# KiCad board mse-68-vhdci-panel.kicad_pcb (continued)
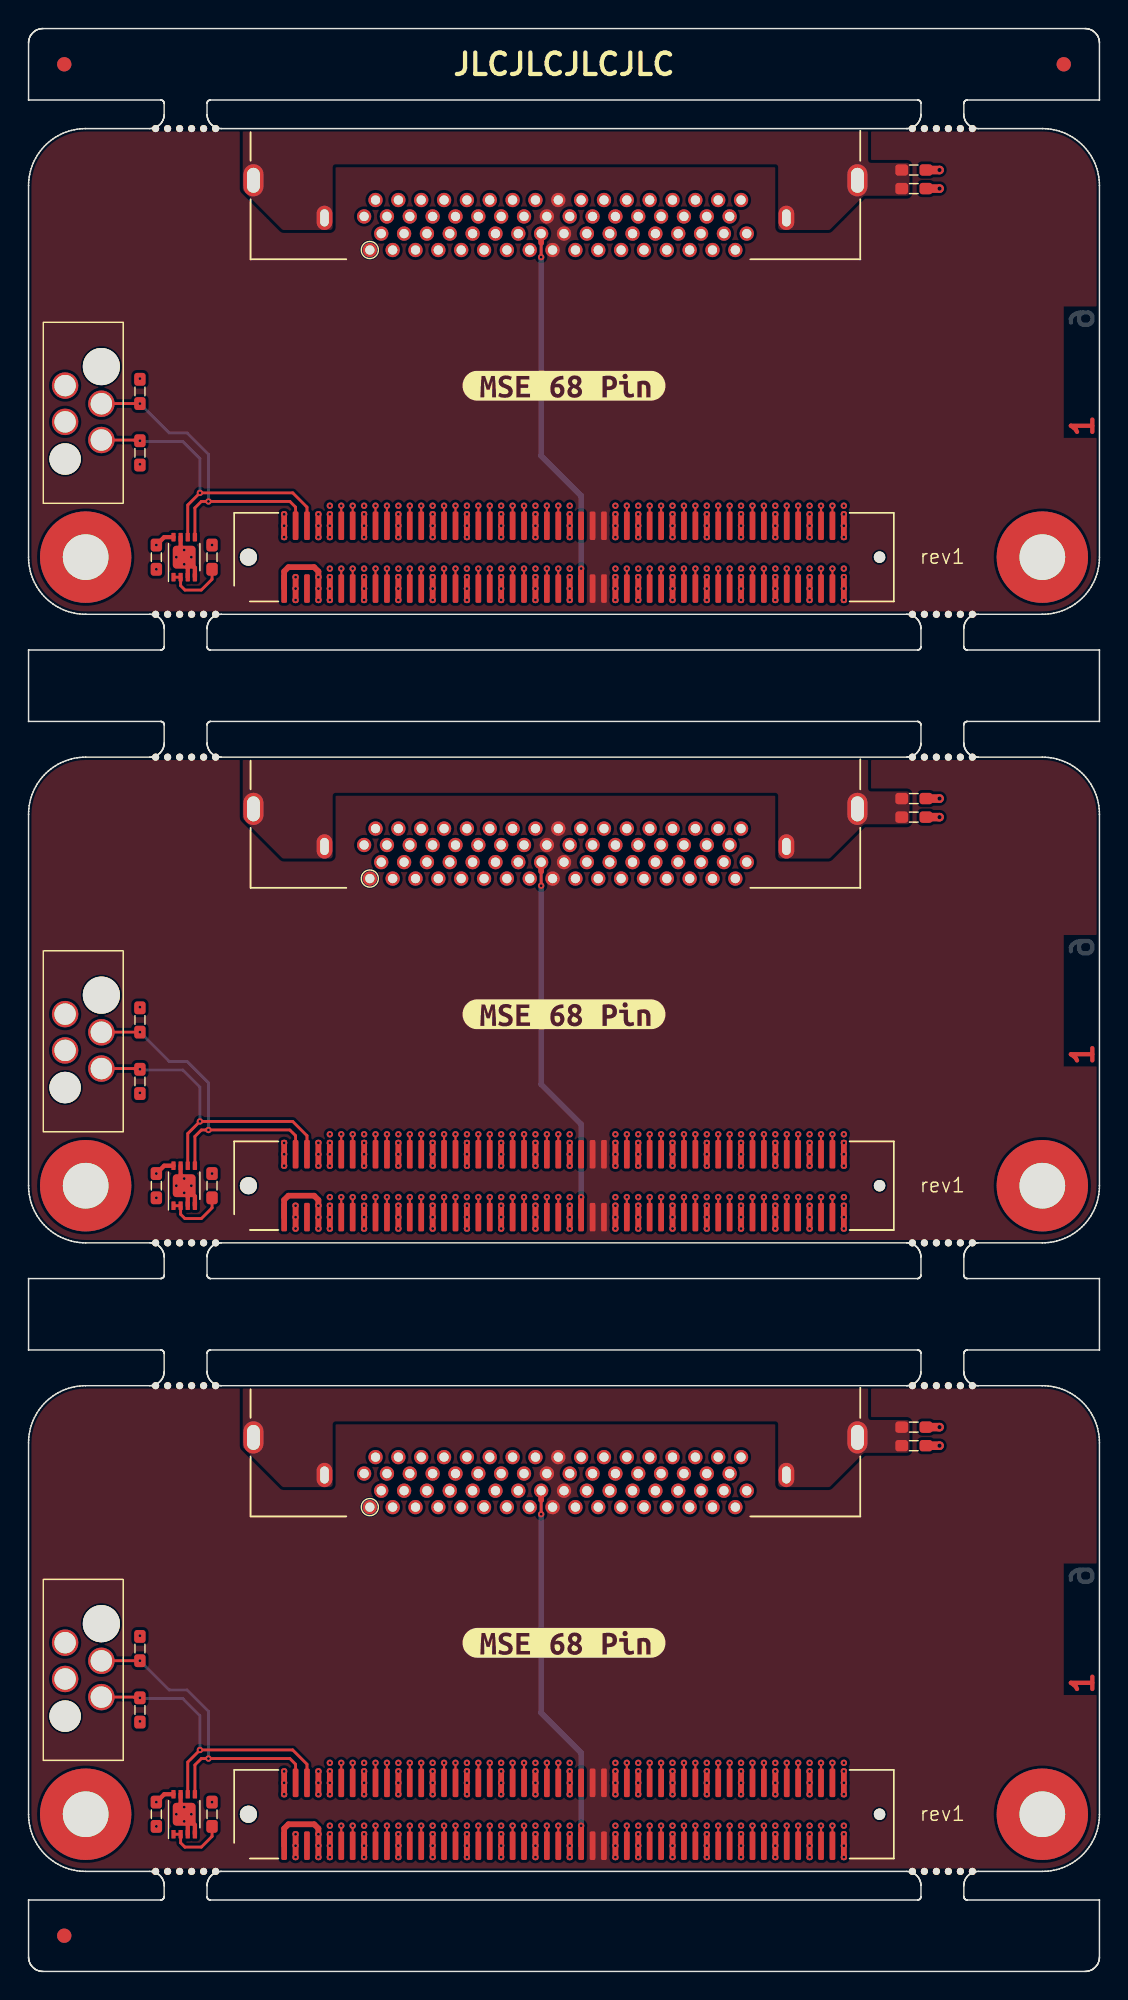
[diagram p0: board, top side]
## Routing (per net, layer and track width the routed paths; a pad name or vN(x,y) marks a point on that pad's centre or on a via; arc(x,y) is an arc through that point) (continued)
Board_1-/CON.DB9-: length 27
  Top w0.151: J1#3.92 v1(53.9,58.6)
  In2.Cu w0.151: J4#3.66 48.3,78.2 48.1,78 48.1,77.5 48.9,76.7 48.9,69.53 arc(48.95,69.42) 49.07,69.37 arc(49.18,69.32) 49.23,69.2 49.23,68.93 arc(49.18,68.82) 49.07,68.77 arc(48.95,68.72) 48.9,68.6 48.9,68.38 arc(48.96,68.25) 49.09,68.19 arc(49.22,68.14) 49.28,68 49.28,67.78 arc(49.22,67.65) 49.09,67.59 arc(48.96,67.54) 48.9,67.4 48.9,67.18 arc(48.96,67.05) 49.09,66.99 arc(49.22,66.94) 49.28,66.8 49.28,66.58 arc(49.22,66.45) 49.09,66.39 arc(48.96,66.34) 48.9,66.2 48.9,65.98 arc(48.96,65.85) 49.09,65.79 arc(49.22,65.74) 49.28,65.6 49.28,65.38 arc(49.22,65.25) 49.09,65.19 arc(48.96,65.14) 48.9,65 48.9,63.6 v1(53.9,58.6)
Board_1-/CON.DB10+: length 29.6
  Top w0.151: J1#3.95 v1(55.5,54.2)
  In3.Cu w0.151: J4#3.33 50.1,75.9 50.1,72.08 arc(50.03,71.91) 49.86,71.84 49.85,71.84 arc(49.68,71.77) 49.61,71.6 49.61,71.48 arc(49.68,71.31) 49.85,71.24 49.86,71.24 arc(50.03,71.17) 50.1,71 50.1,70.88 arc(50.03,70.71) 49.86,70.64 49.85,70.64 arc(49.68,70.57) 49.61,70.4 49.61,70.28 arc(49.68,70.11) 49.85,70.04 49.86,70.04 arc(50.03,69.97) 50.1,69.8 50.1,69.68 arc(50.03,69.51) 49.86,69.44 49.85,69.44 arc(49.68,69.37) 49.61,69.2 49.61,69.08 arc(49.68,68.91) 49.85,68.84 49.86,68.84 arc(50.03,68.77) 50.1,68.6 50.1,68.48 arc(50.03,68.31) 49.86,68.24 49.85,68.24 arc(49.68,68.17) 49.61,68 49.61,67.88 arc(49.68,67.71) 49.85,67.64 49.86,67.64 arc(50.03,67.57) 50.1,67.4 50.1,67.28 arc(50.03,67.11) 49.86,67.04 49.85,67.04 arc(49.68,66.97) 49.61,66.8 49.61,66.68 arc(49.68,66.51) 49.85,66.44 49.86,66.44 arc(50.03,66.37) 50.1,66.2 50.1,66.08 arc(50.03,65.91) 49.86,65.84 49.85,65.84 arc(49.68,65.77) 49.61,65.6 49.61,65.48 arc(49.68,65.31) 49.85,65.24 49.86,65.24 arc(50.03,65.17) 50.1,65 50.1,64 55.2,58.9 55.2,54.5 v1(55.5,54.2)
Board_1-/CON.DB10-: length 27
  Top w0.151: J1#3.96 v1(55.5,58.6)
  In2.Cu w0.151: J4#3.67 49.1,78.2 49.3,78 49.3,77.48 50.1,76.68 50.1,70.87 arc(50.03,70.7) 49.87,70.64 arc(49.7,70.57) 49.63,70.4 49.63,70.27 arc(49.7,70.1) 49.87,70.04 arc(50.03,69.97) 50.1,69.8 50.1,69.67 arc(50.03,69.5) 49.87,69.44 arc(49.7,69.37) 49.63,69.2 49.63,69.07 arc(49.7,68.9) 49.87,68.84 arc(50.03,68.77) 50.1,68.6 50.1,68.47 arc(50.03,68.3) 49.87,68.24 arc(49.7,68.17) 49.63,68 49.63,67.87 arc(49.7,67.7) 49.87,67.64 arc(50.03,67.57) 50.1,67.4 50.1,67.27 arc(50.03,67.1) 49.87,67.04 arc(49.7,66.97) 49.63,66.8 49.63,66.67 arc(49.7,66.5) 49.87,66.44 arc(50.03,66.37) 50.1,66.2 50.1,66.07 arc(50.03,65.9) 49.87,65.84 arc(49.7,65.77) 49.63,65.6 49.63,65.47 arc(49.7,65.3) 49.87,65.24 arc(50.03,65.17) 50.1,65 50.1,64 v1(55.5,58.6)
Board_1-/CON.DB11+: length 29.6
  Top w0.151: J1#3.97 v1(56.3,54.2)
  In3.Cu w0.151: J4#3.34 50.3,76.3 50.5,76.1 50.5,69.68 arc(50.57,69.51) 50.74,69.44 50.75,69.44 arc(50.92,69.37) 50.99,69.2 50.99,69.08 arc(50.92,68.91) 50.75,68.84 50.74,68.84 arc(50.57,68.77) 50.5,68.6 50.5,68.48 arc(50.57,68.31) 50.74,68.24 50.75,68.24 arc(50.92,68.17) 50.99,68 50.99,67.88 arc(50.92,67.71) 50.75,67.64 50.74,67.64 arc(50.57,67.57) 50.5,67.4 50.5,67.28 arc(50.57,67.11) 50.74,67.04 50.75,67.04 arc(50.92,66.97) 50.99,66.8 50.99,66.68 arc(50.92,66.51) 50.75,66.44 50.74,66.44 arc(50.57,66.37) 50.5,66.2 50.5,66.08 arc(50.57,65.91) 50.74,65.84 50.75,65.84 arc(50.92,65.77) 50.99,65.6 50.99,65.48 arc(50.92,65.31) 50.75,65.24 50.74,65.24 arc(50.57,65.17) 50.5,65 50.5,64.4 55.9,59 55.9,54.6 v1(56.3,54.2)
Board_1-/CON.DB11-: length 27
  Top w0.151: J1#3.98 v1(56.3,58.6)
  In2.Cu w0.151: J4#3.68 49.9,78.2 49.7,78 49.7,77.5 50.5,76.7 50.5,68.4 arc(50.56,68.26) 50.7,68.2 arc(50.84,68.14) 50.89,68 50.89,67.8 arc(50.84,67.66) 50.7,67.6 arc(50.56,67.54) 50.5,67.4 50.5,67.2 arc(50.56,67.06) 50.7,67 arc(50.84,66.94) 50.89,66.8 50.89,66.6 arc(50.84,66.46) 50.7,66.4 arc(50.56,66.34) 50.5,66.2 50.5,66 arc(50.56,65.86) 50.7,65.8 arc(50.84,65.74) 50.89,65.6 50.89,65.4 arc(50.84,65.26) 50.7,65.2 arc(50.56,65.14) 50.5,65 50.5,64.4 v1(56.3,58.6)
Board_1-/CON.DB12+: length 29.6
  Top w0.151: J1#3.11 v1(21.9,54.2)
  In3.Cu w0.151: v1(21.9,54.2) 22.3,54.6 22.3,59 24.5,61.2 24.5,62 arc(24.43,62.17) 24.26,62.24 24.25,62.24 arc(24.08,62.31) 24.01,62.48 24.01,62.6 arc(24.08,62.77) 24.25,62.84 24.26,62.84 arc(24.43,62.91) 24.5,63.08 24.5,63.2 arc(24.43,63.37) 24.26,63.44 24.25,63.44 arc(24.08,63.51) 24.01,63.68 24.01,63.8 arc(24.08,63.97) 24.25,64.04 24.26,64.04 arc(24.43,64.11) 24.5,64.28 24.5,64.4 arc(24.43,64.57) 24.26,64.64 24.25,64.64 arc(24.08,64.71) 24.01,64.88 24.01,65 arc(24.08,65.17) 24.25,65.24 24.26,65.24 arc(24.43,65.31) 24.5,65.48 24.5,65.6 arc(24.43,65.77) 24.26,65.84 24.25,65.84 arc(24.08,65.91) 24.01,66.08 24.01,66.2 arc(24.08,66.37) 24.25,66.44 24.26,66.44 arc(24.43,66.51) 24.5,66.68 24.5,66.8 arc(24.43,66.97) 24.26,67.04 24.25,67.04 arc(24.08,67.11) 24.01,67.28 24.01,67.4 arc(24.08,67.57) 24.25,67.64 24.26,67.64 arc(24.43,67.71) 24.5,67.88 24.5,68 arc(24.43,68.17) 24.26,68.24 24.25,68.24 arc(24.08,68.31) 24.01,68.48 24.01,68.6 arc(24.08,68.77) 24.25,68.84 24.26,68.84 arc(24.43,68.91) 24.5,69.08 24.5,69.2 arc(24.43,69.37) 24.26,69.44 24.25,69.44 arc(24.08,69.51) 24.01,69.68 24.01,69.8 arc(24.08,69.97) 24.25,70.04 24.26,70.04 arc(24.43,70.11) 24.5,70.28 24.5,70.4 arc(24.43,70.57) 24.26,70.64 24.25,70.64 arc(24.08,70.71) 24.01,70.88 24.01,71 arc(24.08,71.17) 24.25,71.24 24.26,71.24 arc(24.43,71.31) 24.5,71.48 24.5,75.9 J4#3.1
Board_1-/CON.DB12-: length 27
  Top w0.151: J1#3.12 v1(21.9,58.6)
  In2.Cu w0.151: v1(21.9,58.6) 24.5,61.2 24.5,62 arc(24.43,62.17) 24.26,62.24 arc(24.09,62.31) 24.02,62.48 24.02,62.6 arc(24.09,62.77) 24.26,62.84 arc(24.43,62.91) 24.5,63.08 24.5,63.2 arc(24.43,63.37) 24.26,63.44 arc(24.09,63.51) 24.02,63.68 24.02,63.8 arc(24.09,63.97) 24.26,64.04 arc(24.43,64.11) 24.5,64.28 24.5,64.4 arc(24.43,64.57) 24.26,64.64 arc(24.09,64.71) 24.02,64.88 24.02,65 arc(24.09,65.17) 24.26,65.24 arc(24.43,65.31) 24.5,65.48 24.5,65.6 arc(24.43,65.77) 24.26,65.84 arc(24.09,65.91) 24.02,66.08 24.02,66.2 arc(24.09,66.37) 24.26,66.44 arc(24.43,66.51) 24.5,66.68 24.5,66.8 arc(24.43,66.97) 24.26,67.04 arc(24.09,67.11) 24.02,67.28 24.02,67.4 arc(24.09,67.57) 24.26,67.64 arc(24.43,67.71) 24.5,67.88 24.5,68 arc(24.43,68.17) 24.26,68.24 arc(24.09,68.31) 24.02,68.48 24.02,68.6 arc(24.09,68.77) 24.26,68.84 arc(24.43,68.91) 24.5,69.08 24.5,69.2 arc(24.43,69.37) 24.26,69.44 arc(24.09,69.51) 24.02,69.68 24.02,69.8 arc(24.09,69.97) 24.26,70.04 arc(24.43,70.11) 24.5,70.28 24.5,76.65 23.7,77.45 23.7,78 23.5,78.2 J4#3.35
Board_1-/CON.DB13+: length 29.6
  Top w0.151: J1#3.13 v1(22.7,54.2)
  In3.Cu w0.151: v1(22.7,54.2) 23.01,54.51 23.01,58.91 24.9,60.8 24.9,62 arc(24.97,62.17) 25.13,62.24 arc(25.3,62.31) 25.37,62.47 25.37,62.6 arc(25.3,62.77) 25.13,62.84 arc(24.97,62.91) 24.9,63.07 24.9,63.2 arc(24.97,63.37) 25.13,63.44 arc(25.3,63.51) 25.37,63.67 25.37,63.8 arc(25.3,63.97) 25.13,64.04 arc(24.97,64.11) 24.9,64.27 24.9,64.4 arc(24.97,64.57) 25.13,64.64 arc(25.3,64.71) 25.37,64.87 25.37,65 arc(25.3,65.17) 25.13,65.24 arc(24.97,65.31) 24.9,65.47 24.9,65.6 arc(24.97,65.77) 25.13,65.84 arc(25.3,65.91) 25.37,66.07 25.37,66.2 arc(25.3,66.37) 25.13,66.44 arc(24.97,66.51) 24.9,66.67 24.9,66.8 arc(24.97,66.97) 25.13,67.04 arc(25.3,67.11) 25.37,67.27 25.37,67.4 arc(25.3,67.57) 25.13,67.64 arc(24.97,67.71) 24.9,67.87 24.9,68 arc(24.97,68.17) 25.13,68.24 arc(25.3,68.31) 25.37,68.47 25.37,68.6 arc(25.3,68.77) 25.13,68.84 arc(24.97,68.91) 24.9,69.07 24.9,69.2 arc(24.97,69.37) 25.13,69.44 arc(25.3,69.51) 25.37,69.67 25.37,69.8 arc(25.3,69.97) 25.13,70.04 arc(24.97,70.11) 24.9,70.27 24.9,76.1 24.7,76.3 J4#3.2
Board_1-/CON.DB13-: length 27
  Top w0.151: J1#3.14 v1(22.7,58.6)
  In2.Cu w0.151: v1(22.7,58.6) 24.9,60.8 24.9,62 arc(24.97,62.17) 25.14,62.24 25.15,62.24 arc(25.32,62.31) 25.39,62.48 25.39,62.6 arc(25.32,62.77) 25.15,62.84 25.14,62.84 arc(24.97,62.91) 24.9,63.08 24.9,63.2 arc(24.97,63.37) 25.14,63.44 25.15,63.44 arc(25.32,63.51) 25.39,63.68 25.39,63.8 arc(25.32,63.97) 25.15,64.04 25.14,64.04 arc(24.97,64.11) 24.9,64.28 24.9,64.4 arc(24.97,64.57) 25.14,64.64 25.15,64.64 arc(25.32,64.71) 25.39,64.88 25.39,65 arc(25.32,65.17) 25.15,65.24 25.14,65.24 arc(24.97,65.31) 24.9,65.48 24.9,65.6 arc(24.97,65.77) 25.14,65.84 25.15,65.84 arc(25.32,65.91) 25.39,66.08 25.39,66.2 arc(25.32,66.37) 25.15,66.44 25.14,66.44 arc(24.97,66.51) 24.9,66.68 24.9,66.8 arc(24.97,66.97) 25.14,67.04 25.15,67.04 arc(25.32,67.11) 25.39,67.28 25.39,67.4 arc(25.32,67.57) 25.15,67.64 25.14,67.64 arc(24.97,67.71) 24.9,67.88 24.9,76.69 24.1,77.49 24.1,78 24.3,78.2 J4#3.36
Board_1-/CON.DB14+: length 29.6
  Top w0.151: J1#3.17 v1(24.3,54.2)
  In3.Cu w0.151: J4#3.3 26.1,75.9 26.1,73.88 arc(26.03,73.71) 25.86,73.64 arc(25.69,73.57) 25.62,73.4 25.62,73.28 arc(25.69,73.11) 25.86,73.04 arc(26.03,72.97) 26.1,72.8 26.1,72.68 arc(26.03,72.51) 25.86,72.44 arc(25.69,72.37) 25.63,72.2 25.63,72.08 arc(25.69,71.91) 25.86,71.84 arc(26.03,71.77) 26.1,71.6 26.1,71.48 arc(26.03,71.31) 25.86,71.24 arc(25.69,71.17) 25.63,71 25.63,70.88 arc(25.69,70.71) 25.86,70.64 arc(26.03,70.57) 26.1,70.4 26.1,70.21 arc(26.04,70.07) 25.9,70.01 arc(25.75,69.95) 25.69,69.8 25.69,69.61 arc(25.75,69.47) 25.9,69.41 arc(26.04,69.35) 26.1,69.2 26.1,69.01 arc(26.04,68.87) 25.9,68.81 arc(25.75,68.75) 25.69,68.6 25.69,68.41 arc(25.75,68.27) 25.9,68.21 arc(26.04,68.15) 26.1,68 26.1,67.81 arc(26.04,67.67) 25.9,67.61 arc(25.75,67.55) 25.69,67.4 25.69,67.21 arc(25.75,67.07) 25.9,67.01 arc(26.04,66.95) 26.1,66.8 26.1,66.61 arc(26.04,66.47) 25.9,66.41 arc(25.75,66.35) 25.69,66.2 25.69,66.01 arc(25.75,65.87) 25.9,65.81 arc(26.04,65.75) 26.1,65.6 26.1,65.41 arc(26.04,65.27) 25.9,65.21 arc(25.75,65.15) 25.69,65 25.69,64.81 arc(25.75,64.67) 25.9,64.61 arc(26.04,64.55) 26.1,64.4 26.1,64.21 arc(26.04,64.07) 25.9,64.01 arc(25.75,63.95) 25.69,63.8 25.69,63.61 arc(25.75,63.47) 25.9,63.41 arc(26.04,63.35) 26.1,63.2 26.1,63.01 arc(26.04,62.87) 25.9,62.81 arc(25.75,62.75) 25.69,62.6 25.69,62.41 arc(25.75,62.27) 25.9,62.21 arc(26.04,62.15) 26.1,62 26.1,60.4 24.7,59 24.7,54.6 v1(24.3,54.2)
Board_1-/CON.DB14-: length 27
  Top w0.151: J1#3.18 v1(24.3,58.6)
  In2.Cu w0.151: J4#3.37 25.1,78.2 25.3,78 25.3,77.45 26.1,76.65 26.1,72.67 arc(26.03,72.5) 25.87,72.44 arc(25.7,72.37) 25.63,72.2 25.63,72.07 arc(25.7,71.9) 25.87,71.84 arc(26.03,71.77) 26.1,71.6 26.1,71.47 arc(26.03,71.3) 25.87,71.24 arc(25.7,71.17) 25.63,71 25.63,70.87 arc(25.7,70.7) 25.87,70.64 arc(26.03,70.57) 26.1,70.4 26.1,70.27 arc(26.03,70.1) 25.87,70.04 arc(25.7,69.97) 25.63,69.8 25.63,69.67 arc(25.7,69.5) 25.87,69.44 arc(26.03,69.37) 26.1,69.2 26.1,69.07 arc(26.03,68.9) 25.87,68.84 arc(25.7,68.77) 25.63,68.6 25.63,68.47 arc(25.7,68.3) 25.87,68.24 arc(26.03,68.17) 26.1,68 26.1,67.76 arc(26.05,67.63) 25.92,67.58 arc(25.8,67.53) 25.75,67.4 25.75,67.16 arc(25.8,67.03) 25.92,66.98 arc(26.05,66.93) 26.1,66.8 26.1,66.56 arc(26.05,66.43) 25.92,66.38 arc(25.8,66.33) 25.75,66.2 25.75,65.96 arc(25.8,65.83) 25.92,65.78 arc(26.05,65.73) 26.1,65.6 26.1,65.36 arc(26.05,65.23) 25.92,65.18 arc(25.8,65.13) 25.75,65 25.75,64.76 arc(25.8,64.63) 25.92,64.58 arc(26.05,64.53) 26.1,64.4 26.1,64.16 arc(26.05,64.03) 25.92,63.98 arc(25.8,63.93) 25.75,63.8 25.75,63.56 arc(25.8,63.43) 25.92,63.38 arc(26.05,63.33) 26.1,63.2 26.1,62.96 arc(26.05,62.83) 25.92,62.78 arc(25.8,62.73) 25.75,62.6 25.75,62.36 arc(25.8,62.23) 25.92,62.18 arc(26.05,62.13) 26.1,62 26.1,60.4 v1(24.3,58.6)
Board_1-/CON.DB15+: length 29.6
  Top w0.151: J1#3.19 v1(25.1,54.2)
  In3.Cu w0.151: v1(25.1,54.2) 25.4,54.5 25.4,58.9 26.5,60 26.5,62 arc(26.57,62.17) 26.74,62.24 26.76,62.24 arc(26.93,62.31) 27,62.48 27,62.6 arc(26.93,62.77) 26.76,62.84 26.74,62.84 arc(26.57,62.91) 26.5,63.08 26.5,63.2 arc(26.57,63.37) 26.74,63.44 26.76,63.44 arc(26.93,63.51) 27,63.68 27,63.8 arc(26.93,63.97) 26.76,64.04 26.74,64.04 arc(26.57,64.11) 26.5,64.28 26.5,64.4 arc(26.57,64.57) 26.74,64.64 26.76,64.64 arc(26.93,64.71) 27,64.88 27,65 arc(26.93,65.17) 26.76,65.24 26.74,65.24 arc(26.57,65.31) 26.5,65.48 26.5,65.6 arc(26.57,65.77) 26.74,65.84 26.76,65.84 arc(26.93,65.91) 27,66.08 27,66.2 arc(26.93,66.37) 26.76,66.44 26.74,66.44 arc(26.57,66.51) 26.5,66.68 26.5,66.8 arc(26.57,66.97) 26.74,67.04 26.76,67.04 arc(26.93,67.11) 27,67.28 27,67.4 arc(26.93,67.57) 26.76,67.64 26.74,67.64 arc(26.57,67.71) 26.5,67.88 26.5,68 arc(26.57,68.17) 26.74,68.24 26.76,68.24 arc(26.93,68.31) 27,68.48 27,68.6 arc(26.93,68.77) 26.76,68.84 26.74,68.84 arc(26.57,68.91) 26.5,69.08 26.5,69.2 arc(26.57,69.37) 26.74,69.44 26.76,69.44 arc(26.93,69.51) 27,69.68 27,69.8 arc(26.93,69.97) 26.76,70.04 26.74,70.04 arc(26.57,70.11) 26.5,70.28 26.5,76.1 26.3,76.3 J4#3.4
Board_1-/CON.DB15-: length 27
  Top w0.151: J1#3.20 v1(25.1,58.6)
  In2.Cu w0.151: J4#3.38 25.9,78.2 25.7,78 25.7,77.49 26.5,76.69 26.5,69.07 arc(26.57,68.9) 26.73,68.83 arc(26.9,68.77) 26.96,68.6 26.96,68.47 arc(26.9,68.3) 26.73,68.23 arc(26.57,68.17) 26.5,68 26.5,67.87 arc(26.57,67.7) 26.73,67.63 arc(26.9,67.57) 26.96,67.4 26.96,67.27 arc(26.9,67.1) 26.73,67.03 arc(26.57,66.97) 26.5,66.8 26.5,66.67 arc(26.57,66.5) 26.73,66.43 arc(26.9,66.37) 26.96,66.2 26.96,66.07 arc(26.9,65.9) 26.73,65.83 arc(26.57,65.77) 26.5,65.6 26.5,65.47 arc(26.57,65.3) 26.73,65.23 arc(26.9,65.17) 26.96,65 26.96,64.87 arc(26.9,64.7) 26.73,64.63 arc(26.57,64.57) 26.5,64.4 26.5,64.27 arc(26.57,64.1) 26.73,64.03 arc(26.9,63.97) 26.96,63.8 26.96,63.67 arc(26.9,63.5) 26.73,63.43 arc(26.57,63.37) 26.5,63.2 26.5,63.07 arc(26.57,62.9) 26.73,62.83 arc(26.9,62.77) 26.96,62.6 26.96,62.47 arc(26.9,62.3) 26.73,62.23 arc(26.57,62.17) 26.5,62 26.5,60 v1(25.1,58.6)
Board_1-/CON.DIFFSENSE: length 27.7
  Top w0.2: 35.9,77 v1(35.9,76)
  Top w0.4: J1#3.53 v1(38.7,54.2) ; J4#3.16 35.9,77
  Bottom w0.2: 35.9,77 v1(35.9,76)
  Bottom w0.4: v1(38.7,54.2) 38.7,59.3 35.9,62.1 v1(35.9,76) ; J4#3.16 35.9,77
Board_1-/CON.DP0+: length 29.6
  Top w0.151: J1#3.49 v1(37.1,54.2)
  In3.Cu w0.151: J4#3.14 34.3,76.25 34.5,76.05 34.5,70.25 arc(34.57,70.09) 34.72,70.03 arc(34.88,69.96) 34.95,69.8 34.95,69.65 arc(34.88,69.49) 34.72,69.43 arc(34.57,69.36) 34.5,69.2 34.5,69.05 arc(34.57,68.89) 34.72,68.83 arc(34.88,68.76) 34.95,68.6 34.95,68.45 arc(34.88,68.29) 34.72,68.23 arc(34.57,68.16) 34.5,68 34.5,67.85 arc(34.57,67.69) 34.72,67.63 arc(34.88,67.56) 34.95,67.4 34.95,67.25 arc(34.88,67.09) 34.72,67.03 arc(34.57,66.96) 34.5,66.8 34.5,66.65 arc(34.57,66.49) 34.72,66.43 arc(34.88,66.36) 34.95,66.2 34.95,66.05 arc(34.88,65.89) 34.72,65.83 arc(34.57,65.76) 34.5,65.6 34.5,65.45 arc(34.57,65.29) 34.72,65.23 arc(34.88,65.16) 34.95,65 34.95,64.85 arc(34.88,64.69) 34.72,64.63 arc(34.57,64.56) 34.5,64.4 34.5,64.25 arc(34.57,64.09) 34.72,64.03 arc(34.88,63.96) 34.95,63.8 34.95,63.65 arc(34.88,63.49) 34.72,63.43 arc(34.57,63.36) 34.5,63.2 34.5,63.05 arc(34.57,62.89) 34.72,62.83 arc(34.88,62.76) 34.95,62.6 34.95,62.45 arc(34.88,62.29) 34.72,62.23 arc(34.57,62.16) 34.5,62 34.5,61.2 36.7,59 36.7,54.6 v1(37.1,54.2)
Board_1-/CON.DP0-: length 27
  Top w0.151: J1#3.50 v1(37.1,58.6)
  In2.Cu w0.151: J4#3.48 33.9,78.2 33.7,78 33.7,77.48 34.5,76.68 34.5,67.87 arc(34.57,67.71) 34.73,67.64 arc(34.9,67.57) 34.97,67.4 34.97,67.27 arc(34.9,67.11) 34.73,67.04 arc(34.57,66.97) 34.5,66.8 34.5,66.67 arc(34.57,66.51) 34.73,66.44 arc(34.9,66.37) 34.97,66.2 34.97,66.07 arc(34.9,65.91) 34.73,65.84 arc(34.57,65.77) 34.5,65.6 34.5,65.47 arc(34.57,65.31) 34.73,65.24 arc(34.9,65.17) 34.97,65 34.97,64.87 arc(34.9,64.71) 34.73,64.64 arc(34.57,64.57) 34.5,64.4 34.5,64.27 arc(34.57,64.11) 34.73,64.04 arc(34.9,63.97) 34.97,63.8 34.97,63.67 arc(34.9,63.51) 34.73,63.44 arc(34.57,63.37) 34.5,63.2 34.5,63.07 arc(34.57,62.91) 34.73,62.84 arc(34.9,62.77) 34.97,62.6 34.97,62.47 arc(34.9,62.31) 34.73,62.24 arc(34.57,62.17) 34.5,62 34.5,61.2 v1(37.1,58.6)
Board_1-/CON.DP1+: length 29.6
  Top w0.151: J1#3.23 v1(26.7,54.2)
  In3.Cu w0.151: J4#3.5 27.7,75.9 27.7,75.08 arc(27.63,74.91) 27.46,74.84 27.45,74.84 arc(27.28,74.77) 27.21,74.6 27.21,74.48 arc(27.28,74.31) 27.45,74.24 27.46,74.24 arc(27.63,74.17) 27.7,74 27.7,73.88 arc(27.63,73.71) 27.46,73.64 27.45,73.64 arc(27.28,73.57) 27.21,73.4 27.21,73.28 arc(27.28,73.11) 27.45,73.04 27.46,73.04 arc(27.63,72.97) 27.7,72.8 27.7,72.68 arc(27.63,72.51) 27.46,72.44 27.45,72.44 arc(27.28,72.37) 27.21,72.2 27.21,72.08 arc(27.28,71.91) 27.45,71.84 27.46,71.84 arc(27.63,71.77) 27.7,71.6 27.7,71.48 arc(27.63,71.31) 27.46,71.24 27.45,71.24 arc(27.28,71.17) 27.21,71 27.21,70.88 arc(27.28,70.71) 27.45,70.64 27.46,70.64 arc(27.63,70.57) 27.7,70.4 27.7,70.18 arc(27.65,70.04) 27.51,69.99 arc(27.38,69.93) 27.33,69.8 27.33,69.58 arc(27.38,69.44) 27.51,69.39 arc(27.65,69.33) 27.7,69.2 27.7,68.98 arc(27.65,68.84) 27.51,68.79 arc(27.38,68.73) 27.33,68.6 27.33,68.38 arc(27.38,68.24) 27.51,68.19 arc(27.65,68.13) 27.7,68 27.7,67.78 arc(27.65,67.64) 27.51,67.59 arc(27.38,67.53) 27.33,67.4 27.33,67.18 arc(27.38,67.04) 27.51,66.99 arc(27.65,66.93) 27.7,66.8 27.7,66.58 arc(27.65,66.44) 27.51,66.39 arc(27.38,66.33) 27.33,66.2 27.33,65.98 arc(27.38,65.84) 27.51,65.79 arc(27.65,65.73) 27.7,65.6 27.7,65.38 arc(27.65,65.24) 27.51,65.19 arc(27.38,65.13) 27.33,65 27.33,64.78 arc(27.38,64.64) 27.51,64.59 arc(27.65,64.53) 27.7,64.4 27.7,64.18 arc(27.65,64.04) 27.51,63.99 arc(27.38,63.93) 27.33,63.8 27.33,63.58 arc(27.38,63.44) 27.51,63.39 arc(27.65,63.33) 27.7,63.2 27.7,62.98 arc(27.65,62.84) 27.51,62.79 arc(27.38,62.73) 27.33,62.6 27.33,62.38 arc(27.38,62.24) 27.51,62.19 arc(27.65,62.13) 27.7,62 27.7,59.6 27.1,59 27.1,54.6 v1(26.7,54.2)
Board_1-/CON.DP1-: length 27
  Top w0.151: J1#3.24 v1(26.7,58.6)
  In2.Cu w0.151: J4#3.39 26.7,78.2 26.9,78 26.9,77.45 27.7,76.65 27.7,72.68 arc(27.63,72.51) 27.46,72.44 arc(27.29,72.37) 27.22,72.2 27.22,72.08 arc(27.29,71.91) 27.46,71.84 arc(27.63,71.77) 27.7,71.6 27.7,71.48 arc(27.63,71.31) 27.46,71.24 arc(27.29,71.17) 27.22,71 27.22,70.88 arc(27.29,70.71) 27.46,70.64 arc(27.63,70.57) 27.7,70.4 27.7,70.28 arc(27.63,70.11) 27.46,70.04 arc(27.29,69.97) 27.22,69.8 27.22,69.68 arc(27.29,69.51) 27.46,69.44 arc(27.63,69.37) 27.7,69.2 27.7,69.02 arc(27.64,68.87) 27.49,68.81 arc(27.35,68.75) 27.28,68.6 27.28,68.42 arc(27.35,68.27) 27.49,68.21 arc(27.64,68.15) 27.7,68 27.7,67.82 arc(27.64,67.67) 27.49,67.61 arc(27.35,67.55) 27.28,67.4 27.28,67.22 arc(27.35,67.07) 27.49,67.01 arc(27.64,66.95) 27.7,66.8 27.7,66.62 arc(27.64,66.47) 27.49,66.41 arc(27.35,66.35) 27.28,66.2 27.28,66.02 arc(27.35,65.87) 27.49,65.81 arc(27.64,65.75) 27.7,65.6 27.7,65.42 arc(27.64,65.27) 27.49,65.21 arc(27.35,65.15) 27.28,65 27.28,64.82 arc(27.35,64.67) 27.49,64.61 arc(27.64,64.55) 27.7,64.4 27.7,64.22 arc(27.64,64.07) 27.49,64.01 arc(27.35,63.95) 27.28,63.8 27.28,63.62 arc(27.35,63.47) 27.49,63.41 arc(27.64,63.35) 27.7,63.2 27.7,63.02 arc(27.64,62.87) 27.49,62.81 arc(27.35,62.75) 27.28,62.6 27.28,62.42 arc(27.35,62.27) 27.49,62.21 arc(27.64,62.15) 27.7,62 27.7,59.6 v1(26.7,58.6)
Board_1-/CON.I/O+: length 29.6
  Top w0.151: J1#3.85 v1(51.5,54.2)
  In3.Cu w0.151: v1(51.5,54.2) 51.1,54.6 51.1,59 47.3,62.8 47.3,65 arc(47.36,65.15) 47.51,65.22 arc(47.66,65.28) 47.73,65.43 47.73,65.6 arc(47.66,65.75) 47.51,65.82 arc(47.36,65.88) 47.3,66.03 47.3,66.2 arc(47.36,66.35) 47.51,66.42 arc(47.66,66.48) 47.73,66.63 47.73,66.8 arc(47.66,66.95) 47.51,67.02 arc(47.36,67.08) 47.3,67.23 47.3,67.4 arc(47.36,67.55) 47.51,67.62 arc(47.66,67.68) 47.73,67.83 47.73,68 arc(47.66,68.15) 47.51,68.22 arc(47.36,68.28) 47.3,68.43 47.3,68.6 arc(47.36,68.75) 47.51,68.82 arc(47.66,68.88) 47.73,69.03 47.73,69.2 arc(47.66,69.35) 47.51,69.42 arc(47.36,69.48) 47.3,69.63 47.3,69.8 arc(47.36,69.95) 47.51,70.02 arc(47.66,70.08) 47.73,70.23 47.73,70.4 arc(47.66,70.55) 47.51,70.62 arc(47.36,70.68) 47.3,70.83 47.3,71 arc(47.36,71.15) 47.51,71.22 arc(47.66,71.28) 47.73,71.43 47.73,71.6 arc(47.66,71.75) 47.51,71.82 arc(47.36,71.88) 47.3,72.03 47.3,76.1 47.1,76.3 J4#3.30
Board_1-/CON.I/O-: length 27
  Top w0.151: J1#3.86 v1(51.5,58.6)
  In2.Cu w0.151: v1(51.5,58.6) 47.3,62.8 47.3,65 arc(47.36,65.15) 47.51,65.21 arc(47.66,65.28) 47.72,65.43 47.72,65.6 arc(47.66,65.75) 47.51,65.81 arc(47.36,65.88) 47.3,66.03 47.3,66.2 arc(47.36,66.35) 47.51,66.41 arc(47.66,66.48) 47.72,66.63 47.72,66.8 arc(47.66,66.95) 47.51,67.01 arc(47.36,67.08) 47.3,67.23 47.3,67.4 arc(47.36,67.55) 47.51,67.61 arc(47.66,67.68) 47.72,67.83 47.72,68 arc(47.66,68.15) 47.51,68.21 arc(47.36,68.28) 47.3,68.43 47.3,68.6 arc(47.37,68.77) 47.54,68.84 47.55,68.84 arc(47.72,68.91) 47.79,69.08 47.79,69.2 arc(47.72,69.37) 47.55,69.44 47.54,69.44 arc(47.37,69.51) 47.3,69.68 47.3,76.7 46.5,77.5 46.5,78 46.7,78.2 J4#3.64
Board_1-/CON.MSG+: length 29.6
  Top w0.151: J1#3.73 v1(46.7,54.2)
  In3.Cu w0.151: J4#3.26 43.9,76.3 44.1,76.1 44.1,74.39 arc(44.16,74.26) 44.3,74.2 arc(44.44,74.14) 44.49,74 44.49,73.79 arc(44.44,73.66) 44.3,73.6 arc(44.16,73.54) 44.1,73.4 44.1,73.19 arc(44.16,73.06) 44.3,73 arc(44.44,72.94) 44.49,72.8 44.49,72.59 arc(44.44,72.46) 44.3,72.4 arc(44.16,72.34) 44.1,72.2 44.1,71.99 arc(44.16,71.86) 44.3,71.8 arc(44.44,71.74) 44.49,71.6 44.49,71.39 arc(44.44,71.26) 44.3,71.2 arc(44.16,71.14) 44.1,71 44.1,70.79 arc(44.16,70.66) 44.3,70.6 arc(44.44,70.54) 44.49,70.4 44.49,70.19 arc(44.44,70.06) 44.3,70 arc(44.16,69.94) 44.1,69.8 44.1,69.59 arc(44.16,69.46) 44.3,69.4 arc(44.44,69.34) 44.49,69.2 44.49,68.99 arc(44.44,68.86) 44.3,68.8 arc(44.16,68.74) 44.1,68.6 44.1,68.39 arc(44.16,68.26) 44.3,68.2 arc(44.44,68.14) 44.49,68 44.49,67.79 arc(44.44,67.66) 44.3,67.6 arc(44.16,67.54) 44.1,67.4 44.1,67.19 arc(44.16,67.06) 44.3,67 arc(44.44,66.94) 44.49,66.8 44.49,66.59 arc(44.44,66.46) 44.3,66.4 arc(44.16,66.34) 44.1,66.2 44.1,65.99 arc(44.16,65.86) 44.3,65.8 arc(44.44,65.74) 44.49,65.6 44.49,65.39 arc(44.44,65.26) 44.3,65.2 arc(44.16,65.14) 44.1,65 44.1,61.2 46.3,59 46.3,54.6 v1(46.7,54.2)
Board_1-/CON.MSG-: length 27
  Top w0.151: J1#3.74 v1(46.7,58.6)
  In2.Cu w0.151: J4#3.60 43.5,78.2 43.3,78 43.3,77.5 44.1,76.7 44.1,71.99 arc(44.16,71.85) 44.3,71.8 arc(44.43,71.74) 44.49,71.6 44.49,71.39 arc(44.43,71.25) 44.3,71.2 arc(44.16,71.14) 44.1,71 44.1,70.79 arc(44.16,70.65) 44.3,70.6 arc(44.43,70.54) 44.49,70.4 44.49,70.19 arc(44.43,70.05) 44.3,70 arc(44.16,69.94) 44.1,69.8 44.1,69.59 arc(44.16,69.45) 44.3,69.4 arc(44.43,69.34) 44.49,69.2 44.49,68.99 arc(44.43,68.85) 44.3,68.8 arc(44.16,68.74) 44.1,68.6 44.1,68.39 arc(44.16,68.25) 44.3,68.2 arc(44.43,68.14) 44.49,68 44.49,67.79 arc(44.43,67.65) 44.3,67.6 arc(44.16,67.54) 44.1,67.4 44.1,67.19 arc(44.16,67.05) 44.3,67 arc(44.43,66.94) 44.49,66.8 44.49,66.59 arc(44.43,66.45) 44.3,66.4 arc(44.16,66.34) 44.1,66.2 44.1,65.99 arc(44.16,65.85) 44.3,65.8 arc(44.43,65.74) 44.49,65.6 44.49,65.39 arc(44.43,65.25) 44.3,65.2 arc(44.16,65.14) 44.1,65 44.1,61.2 v1(46.7,58.6)
Board_1-/CON.REQ+: length 29.6
  Top w0.151: J1#3.83 v1(50.7,54.2)
  In3.Cu w0.151: J4#3.29 46.9,75.9 46.9,73.28 arc(46.83,73.11) 46.66,73.04 46.64,73.04 arc(46.47,72.97) 46.4,72.8 46.4,72.68 arc(46.47,72.51) 46.64,72.44 46.66,72.44 arc(46.83,72.37) 46.9,72.2 46.9,72.08 arc(46.83,71.91) 46.66,71.84 46.64,71.84 arc(46.47,71.77) 46.4,71.6 46.4,71.48 arc(46.47,71.31) 46.64,71.24 46.66,71.24 arc(46.83,71.17) 46.9,71 46.9,70.88 arc(46.83,70.71) 46.66,70.64 46.64,70.64 arc(46.47,70.57) 46.4,70.4 46.4,70.28 arc(46.47,70.11) 46.64,70.04 46.66,70.04 arc(46.83,69.97) 46.9,69.8 46.9,69.68 arc(46.83,69.51) 46.66,69.44 46.64,69.44 arc(46.47,69.37) 46.4,69.2 46.4,69.08 arc(46.47,68.91) 46.64,68.84 46.66,68.84 arc(46.83,68.77) 46.9,68.6 46.9,68.48 arc(46.83,68.31) 46.66,68.24 46.64,68.24 arc(46.47,68.17) 46.4,68 46.4,67.88 arc(46.47,67.71) 46.64,67.64 46.66,67.64 arc(46.83,67.57) 46.9,67.4 46.9,67.28 arc(46.83,67.11) 46.66,67.04 46.64,67.04 arc(46.47,66.97) 46.4,66.8 46.4,66.68 arc(46.47,66.51) 46.64,66.44 46.66,66.44 arc(46.83,66.37) 46.9,66.2 46.9,66.08 arc(46.83,65.91) 46.66,65.84 46.64,65.84 arc(46.47,65.77) 46.4,65.6 46.4,65.48 arc(46.47,65.31) 46.64,65.24 46.66,65.24 arc(46.83,65.17) 46.9,65 46.9,62.4 50.39,58.91 50.39,54.51 v1(50.7,54.2)
Board_1-/CON.REQ-: length 27
  Top w0.151: J1#3.84 v1(50.7,58.6)
  In2.Cu w0.151: J4#3.63 45.9,78.2 46.1,78 46.1,77.48 46.9,76.68 46.9,73.28 arc(46.83,73.11) 46.66,73.04 46.66,73.04 arc(46.49,72.97) 46.42,72.8 46.42,72.68 arc(46.49,72.51) 46.66,72.44 46.66,72.44 arc(46.83,72.37) 46.9,72.2 46.9,72.08 arc(46.83,71.91) 46.66,71.84 46.66,71.84 arc(46.49,71.77) 46.42,71.6 46.42,71.48 arc(46.49,71.31) 46.66,71.24 46.66,71.24 arc(46.83,71.17) 46.9,71 46.9,70.88 arc(46.83,70.71) 46.66,70.64 46.66,70.64 arc(46.49,70.57) 46.42,70.4 46.42,70.28 arc(46.49,70.11) 46.66,70.04 46.66,70.04 arc(46.83,69.97) 46.9,69.8 46.9,69.57 arc(46.85,69.44) 46.72,69.39 arc(46.59,69.33) 46.53,69.2 46.53,68.97 arc(46.59,68.84) 46.72,68.79 arc(46.85,68.73) 46.9,68.6 46.9,68.37 arc(46.85,68.24) 46.72,68.19 arc(46.59,68.13) 46.53,68 46.53,67.77 arc(46.59,67.64) 46.72,67.59 arc(46.85,67.53) 46.9,67.4 46.9,67.17 arc(46.85,67.04) 46.72,66.99 arc(46.59,66.93) 46.53,66.8 46.53,66.57 arc(46.59,66.44) 46.72,66.39 arc(46.85,66.33) 46.9,66.2 46.9,65.97 arc(46.85,65.84) 46.72,65.79 arc(46.59,65.73) 46.53,65.6 46.53,65.37 arc(46.59,65.24) 46.72,65.19 arc(46.85,65.13) 46.9,65 46.9,62.4 v1(50.7,58.6)
